# Altium PCB ESP_MusicToy.PcbDoc (part 2 of 2)
Units mm, origin at the board's own origin, x right, y up, seen from the top; angles counter-clockwise.
Board outline 77 x 70 mm, 4 copper layers (Top Layer, Layer 1, Layer 2, Bottom Layer), stack 1.583 mm thick; 197 components, 120 nets, 563 pads, 299 vias.
Unrouted connection lines stored in the file: 1.
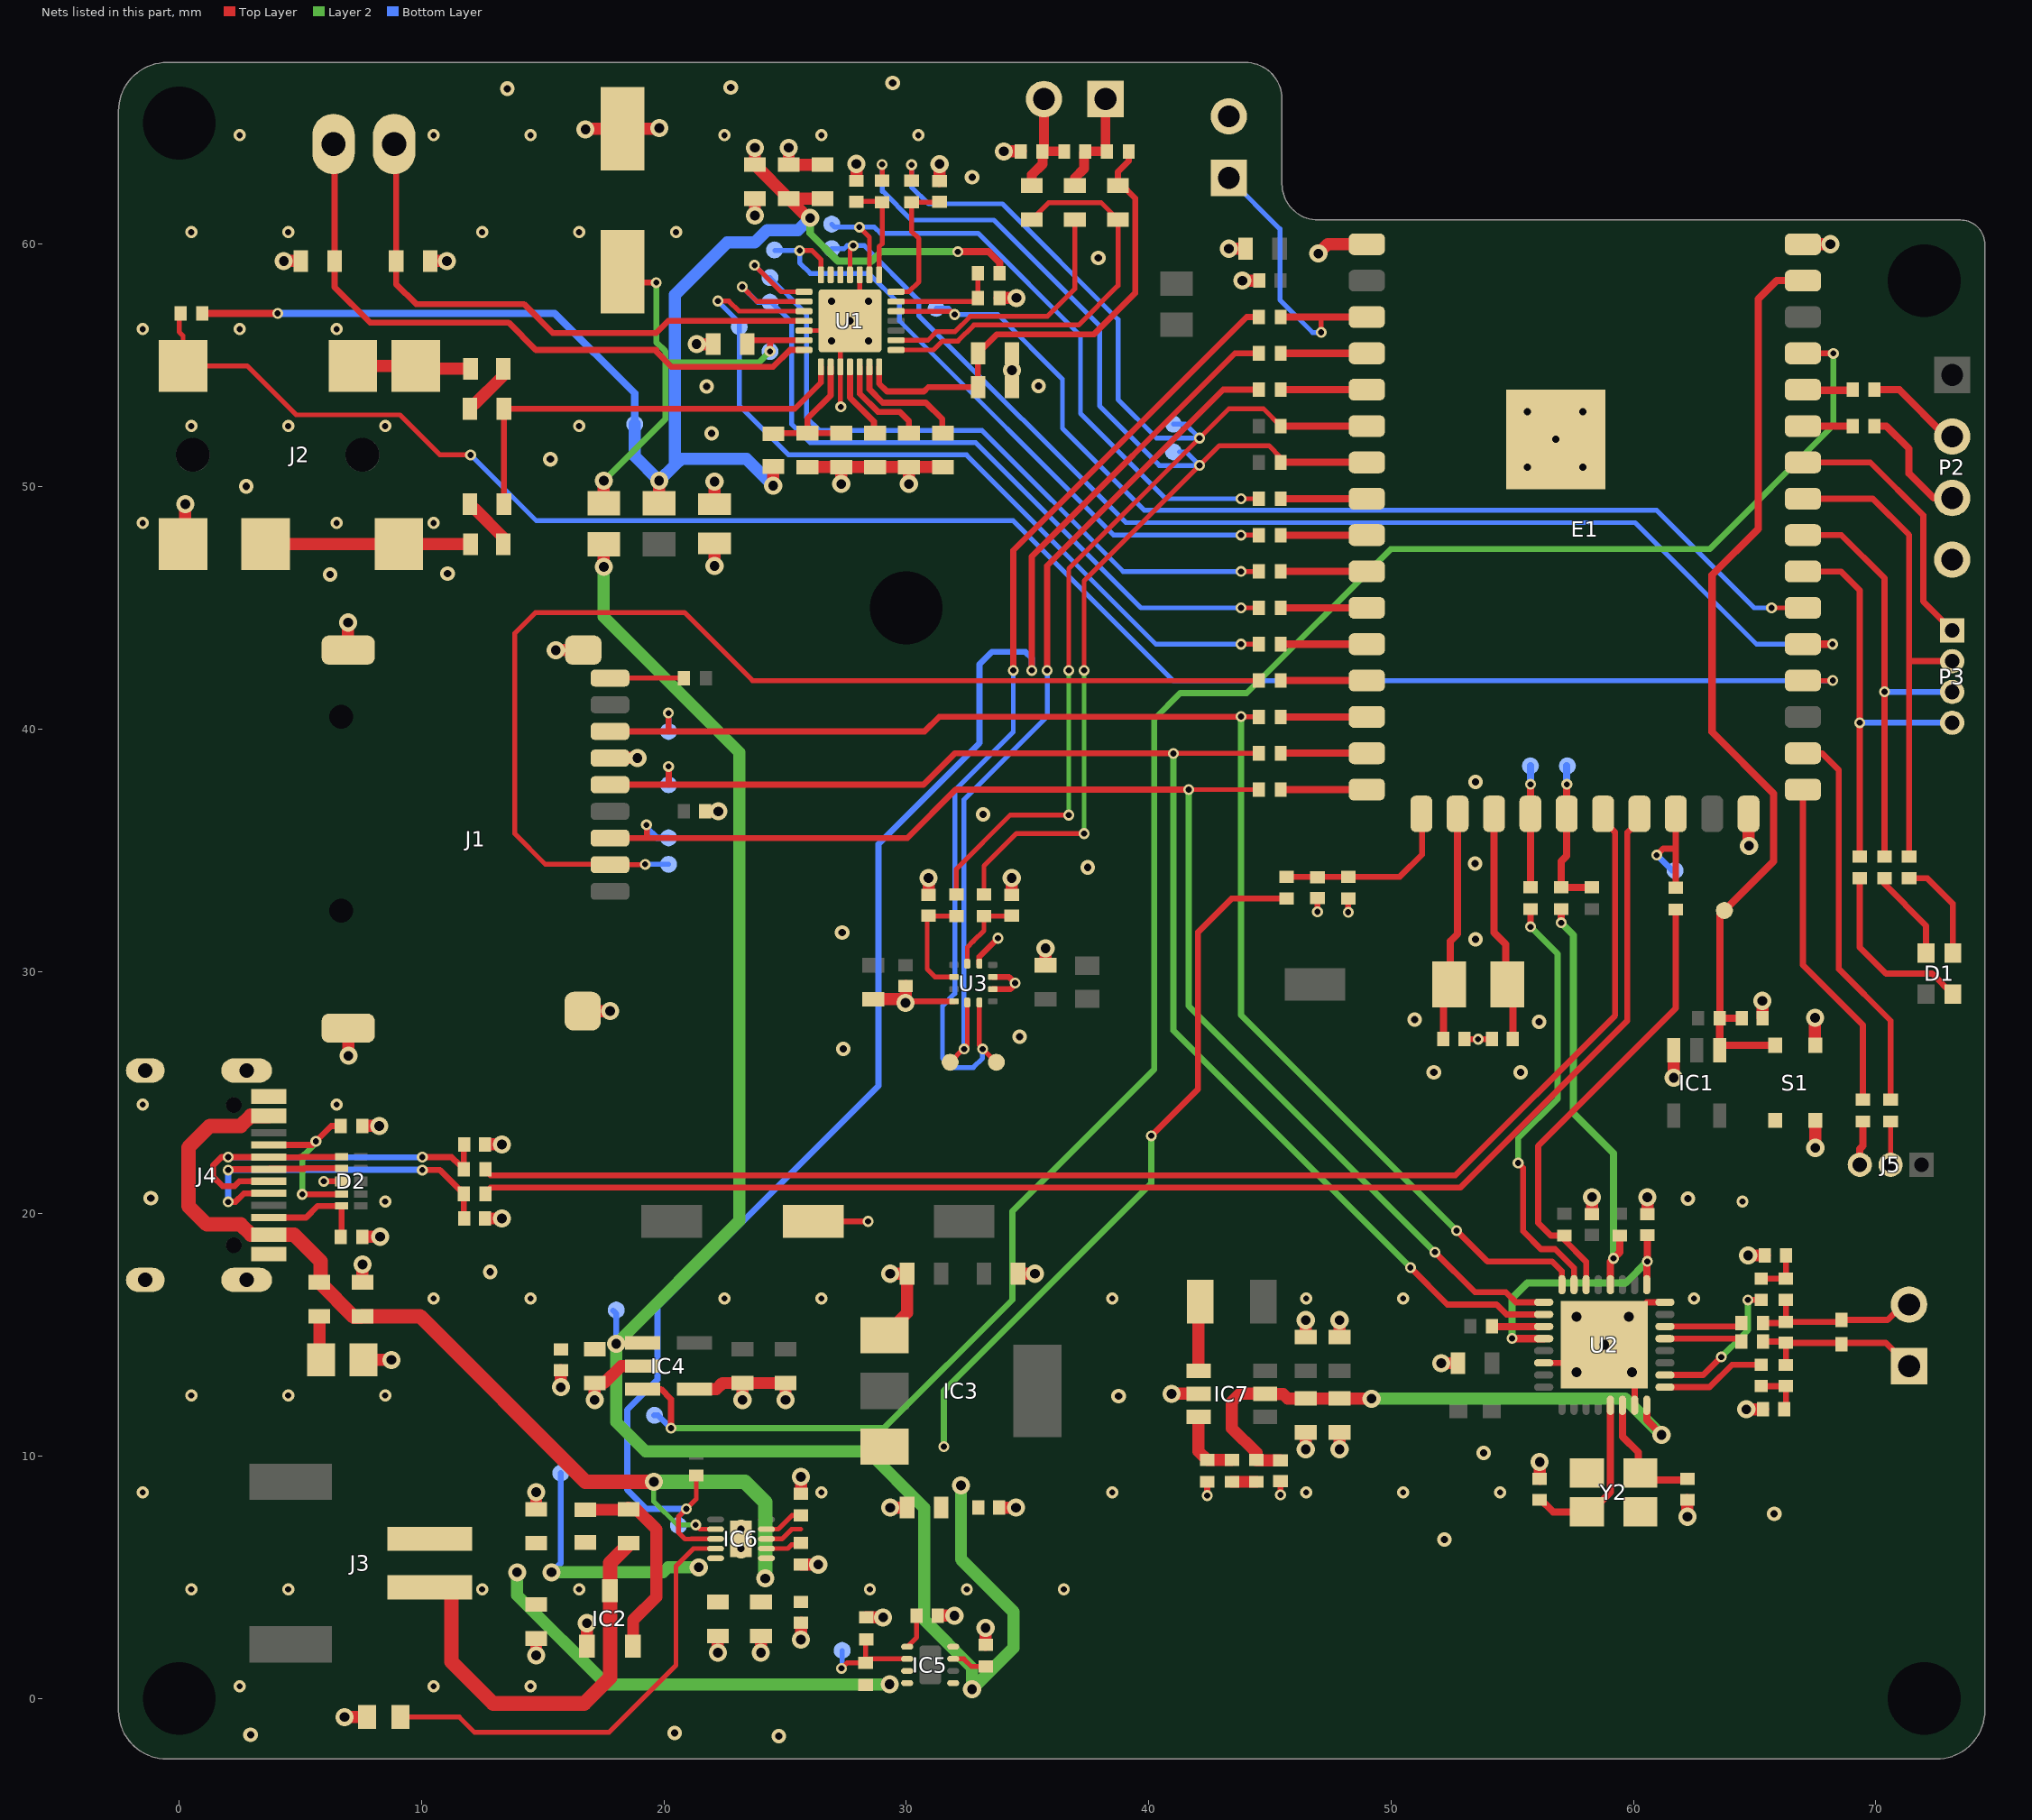
[diagram p4: the nets of this part, all layers, seen from the top]

## Via types
v1: diameter 0.75, hole 0.4, Top Layer to Bottom Layer, tented both sides, 109 vias
v2: diameter 0.45, hole 0.25, Top Layer to Bottom Layer, tented both sides, 90 vias
v3: diameter 0.5, hole 0.25, Top Layer to Bottom Layer, tented both sides, 52 vias
v4: diameter 0.6, hole 0.3, Top Layer to Bottom Layer, tented both sides, 46 vias
v5: diameter 0.8, hole 0.3, Top Layer to Bottom Layer, tented both sides, 2 vias

## Nets (pads, with @x,y where several pads share a name; then routed paths per layer and width w, separated by ;. In a path a pad name is that pad's centre, name@x,y a point inside that pad or via, vN(x,y) a via of type N, cw(c..) or ccw(c..) an arc to the next point about the centre after c; other vN are vias at no path point) (continued)
+5V_NFC: C66.2 C67.2 C68.2 IC7.5 R61.2 U2.32 | length 23.9
  Top Layer w0.3: U2.32@60.551,12.097 60.551,11.484 v1(61.163,10.871)
  Top Layer w0.5: C68.2@45.441,9.83 44.46,9.83 R61.2@44.45,9.84 44.45,10.135 43.434,11.151 43.434,12.243 43.764,12.573 44.801,12.573 IC7.5@44.809,12.565 45.55,12.565 45.739,12.376 C66.2@46.482,12.376 C67.2@47.879,12.376 47.885,12.37 v1(49.2,12.37)
  Layer 2 w0.5: v1(49.2,12.37) 59.665,12.37 v1(61.163,10.871)
AGND: C10.1 C11.1 C12.1 C13.2 C14.1 C15.2 C16.2 C22.2 C23.1 C24.2 C25.2 C26.2 C27.2 C28.1 C29.1 C31.1 J2.1 R30.2 R32.1 R40.1 U1.3 U1.12 U1.17 U1.29 | length 28.8
  Top Layer w0.2: U1.12@25.779,56.44 U1.29@27.279,56.44 ; v2(27.298,53.292) 27.279,53.311 U1.17@27.279,54.94 U1.29@27.279,56.44 ; U1.3@28.079,58.74 28.079,57.24 v4(27.679,56.84) U1.29@27.279,56.44
  Top Layer w0.5: J2.1@0.164,47.633 0.254,47.723 v1(0.254,49.276) ; v1(4.318,59.309) C27.2@5.015,59.309 ; C28.1@10.352,59.309 v1(11.049,59.309) ; v1(16.764,64.741) 16.891,64.741 16.92,64.77 C16.2@18.288,64.77 v1@19.656,64.77 ; v1(21.349,55.88) C15.2@22.033,55.88 ; R30.2@22.091,49.279 v1(22.091,50.207) ; v1(23.754,61.188) C11.1@23.754,61.885 ; v1(25.151,63.982) C12.1@25.151,63.285 C10.1@26.548,63.285 ; C23.1@25.92,50.806 C22.2@27.317,50.806 ; v1(27.317,50.109) C22.2@27.317,50.806 ; C14.1@27.945,62.617 v1(27.945,63.314) ; v1(30.111,50.109) C25.2@30.111,50.806 ; C13.2@31.374,62.614 v1(31.374,63.311) ; C24.2@31.508,50.806 C25.2@30.111,50.806 ; R32.1@33.851,57.785 v1(34.548,57.785) ; v1(34.025,63.833) R40.1@34.722,63.833 ; C31.1@34.36,54.107 v1(34.36,54.804) C29.1@34.36,55.504 ; C22.2@27.317,50.806 28.714,50.806 C25.2@30.111,50.806
  other v1: 19.812,64.799
  other v3: -1.5,48.5 6.5,48.5 10.5,48.5 0.5,52.5 4.5,52.5 8.5,52.5 16.5,52.5 -1.5,56.5 2.5,56.5 6.5,56.5 0.5,60.5 4.5,60.5 12.5,60.5 16.5,60.5 20.5,60.5 2.5,64.5 10.5,64.5 14.5,64.5 22.5,64.5 26.5,64.5 30.5,64.5
  other v4: 6.223,46.38 11.074,46.406 2.769,50.013 15.316,51.13 21.971,52.197 21.768,54.127 35.458,54.153 26.924,56.007 28.448,56.007 26.924,57.658 28.448,57.658 37.922,59.436 32.715,62.763 13.538,66.421 22.758,66.472 29.439,66.65
AVDD: AVDD.1 C10.2 C11.2 C12.2 FB2.2 R31.2 R37.1 R38.2 U1.5 U1.6 | length 59.4
  Top Layer w0.3: R38.2@0.958,57.15 v2(4.064,57.15) ; v2(32.131,59.69) 33.401,59.69 33.851,59.24 R31.2@33.851,58.801
  Top Layer w0.5: FB2.2@19.805,49.316 v1(19.805,50.244) ; v1(23.754,63.982) C11.2@23.754,63.285 25.151,61.888 C12.2@25.151,61.885 ; v1(24.511,50.038) 24.511,50.819 R37.1@24.523,50.831 ; v1(26.035,61.087) 25.949,61.087 C12.2@25.151,61.885 ; C10.2@26.548,61.885 C12.2@25.151,61.885
  Layer 2 w0.3: v1(26.035,61.087) 26.035,60.452 27.178,59.309 28.575,59.309 28.956,59.69 v2(32.131,59.69)
  Bottom Layer w0.3: v2(4.064,57.15) 15.494,57.15 18.796,53.848 AVDD.1@18.796,52.578
  Bottom Layer w0.5: AVDD.1@18.796,52.578 18.796,51.253 v1(19.805,50.244) 20.447,50.886 ; v1(24.511,50.038) 23.409,51.14 20.701,51.14 20.447,50.886 ; v1(26.035,61.087) 25.527,60.579 24.257,60.579 23.749,60.071 22.606,60.071 20.447,57.912 20.447,50.886
BAT: BAT.1 C35.2 C36.1 IC5.3 IC5.4 IC6.10 J3.2 R43.1 R46.2 | length 28.2
  Layer 2 w0.5: v1(13.945,5.207) 13.945,4.267 17.628,0.584 v1(29.312,0.584) ; v1(15.367,5.207) 19.964,5.207 20.168,5.41 v1(21.438,5.41)
  Bottom Layer w0.25: v1(15.367,5.207) 15.748,5.588 BAT.1@15.748,9.296
BUT1: E1.28 R52.2 | length 16.3
  Top Layer w0.25: E1.28@66.993,39 67.782,39 68.478,38.303 68.478,30.099 70.612,27.965 R52.2@70.612,24.707
BUT2: E1.27 R60.2 | length 13.8
  Top Layer w0.25: E1.27@66.993,37.5 66.993,30.263 69.469,27.788 R60.2@69.469,24.707
CC1: D2.4 J4.A5 R41.2 | length 7.2
  Top Layer w0.25: J4.A5@3.701,22.84 v2@5.492,22.84 ; v2(5.08,20.803) 5.667,20.803 D2.4@6.706,20.803 ; v2@5.55,22.898 6.274,23.622 R41.2@6.662,23.622
  Layer 2 w0.25: v2(5.08,20.803) 5.08,22.352 5.334,22.606 5.642,22.914 v2(5.642,22.99)
CC2: D2.5 J4.B5 R45.2 | length 4.5
  Top Layer w0.25: J4.B5@3.701,19.84 5.235,19.84 5.715,20.32 D2.5@6.706,20.32 6.706,19.094 R45.2@6.662,19.05
CHARGE: CHG.1 IC6.8 R7.1 R48.1 | length 68.6
  Top Layer w0.2: 21.133,6.579 20.879,6.579 20.599,6.858 20.599,7.493 v2(20.93,7.823) 21.336,8.23 21.336,9.169 R48.1@21.311,9.195 ; 21.133,6.585 IC6.8@22.133,6.585
  Top Layer w0.25: v2(35.179,42.418) 35.179,47.117 43.562,55.5 R7.1@44.55,55.5
  Bottom Layer w0.2: CHG.1@20.625,7.036 20.625,7.518 v2(20.93,7.823)
  Bottom Layer w0.25: v2(20.93,7.823) 19.279,7.823 18.491,8.611 18.491,11.913 19.736,13.157 19.736,16.154 28.854,25.273 28.854,35.255 33.02,39.421 33.02,42.672 33.528,43.18 34.925,43.18 35.179,42.926 v2(35.179,42.418)
Codec_Address: R31.1 R32.2 U1.27 | length 4.4
  Top Layer w0.2: U1.27@29.579,57.64 32.806,57.64 R32.2@32.951,57.785 R31.1@32.951,58.801
Codec_GPIO1: C_GPIO1.1 E1.32 U1.26 | length 44.5
  Top Layer w0.2: U1.26@29.579,57.24 29.59,57.229 31.87,57.229 v2(31.997,57.102) ; v2(65.701,45) E1.32@66.993,45
  Bottom Layer w0.2: C_GPIO1.1@31.235,57.356 31.743,57.356 v2(31.997,57.102) 33.775,57.102 36.442,54.435 36.442,52.403 39.823,49.022 60.96,49.022 64.982,45 v2(65.701,45)
Codec_GPIO2: C_GPIO2.1 E1.31 U1.4 | length 51
  Top Layer w0.2: U1.4@27.679,58.74 27.679,59.81 v2(27.813,59.944) v2@27.799,59.944
  Top Layer w0.3: E1.31@66.993,43.5 v2(68.215,43.5)
  Bottom Layer w0.2: C_GPIO2.1@26.924,59.817 27.432,59.817 27.559,59.944 v2(27.813,59.944) 28.266,59.944 30.516,57.694 30.516,57.059 39.061,48.514 60.071,48.514 65.085,43.5 v2(68.215,43.5)
Codec_I2C_SCK: C14.2 R34.2 U1.1 | length 4.2
  Top Layer w0.2: C14.2@27.945,61.772 29.07,61.772 29.004,61.706 29.004,60.023 28.879,59.898 U1.1@28.879,58.74
Codec_I2C_SDA: C13.1 R33.2 U1.28 | length 5.7
  Top Layer w0.2: U1.28@29.579,58.04 30.107,58.04 30.519,58.452 30.519,60.231 30.219,60.531 R33.2@30.219,61.732 31.356,61.732 C13.1@31.374,61.75
Codec_I2S0_ASDOUT: DOUT1.1 R11.1 U1.8 | length 31
  Top Layer w0.2: v2(23.742,59.134) 24.836,58.04 U1.8@25.779,58.04 ; v2(43.815,46.5) R11.1@44.55,46.5
  Bottom Layer w0.2: v2(23.742,59.134) 24.25,58.626 DOUT1.1@24.377,58.626 25.88,57.122 25.88,52.86 26.416,52.324 33.122,52.324 38.946,46.5 v2(43.815,46.5)
Codec_I2S0_DSDIN: DIN1.1 R13.1 U1.10 | length 33.9
  Top Layer w0.2: v2(22.225,57.658) 22.678,57.658 23.096,57.24 U1.10@25.779,57.24 ; v2(43.815,43.5) R13.1@44.55,43.5
  Bottom Layer w0.2: v2(22.225,57.658) 23.107,56.776 DIN1.1@23.107,56.594 23.107,53.347 25.146,51.308 32.487,51.308 40.295,43.5 v2(43.815,43.5)
Codec_I2S0_LRCK: LRCLK1.1 R12.1 U1.9 | length 32.1
  Top Layer w0.2: v2(23.234,58.245) 23.839,57.64 U1.9@25.779,57.64 ; v2(43.815,45) R12.1@44.55,45
  Bottom Layer w0.2: v2(23.234,58.245) 23.869,57.61 LRCLK1.1@24.377,57.61 24.432,57.61 25.273,56.769 25.273,52.578 26.035,51.816 32.868,51.816 39.684,45 v2(43.815,45)
Codec_I2S0_MCLK: MCLK1.1 R9.1 U1.2 | length 26.3
  Top Layer w0.2: v2(28.067,60.706) 28.479,60.294 U1.2@28.479,58.74 ; v2(43.815,49.5) R9.1@44.55,49.5
  Bottom Layer w0.2: MCLK1.1@26.924,60.833 27.051,60.706 v2(28.067,60.706) 28.687,60.706 28.941,60.452 32.965,60.452 37.19,56.227 37.19,53.017 40.707,49.5 v2(43.815,49.5)
Codec_I2S0_SCLK: R10.1 SCLK1.1 U1.7 | length 27.2
  Top Layer w0.2: v2(25.603,59.741) 26.111,59.741 26.479,59.373 U1.7@26.479,58.74 ; v2(43.815,48) R10.1@44.55,48
  Bottom Layer w0.2: SCLK1.1@24.587,59.741 v2(25.603,59.741) 25.603,59.233 26.035,58.801 28.448,58.801 29.718,57.531 29.718,56.841 38.559,48 v2(43.815,48)
EN: C7.2 E1.41 EN.1 IC1.1 R24.1 S1.1 S1.2 | length 39.2
  Top Layer w0.3: IC1.1@63.5,26.67 63.78,26.95 S1.2@65.85,26.95 ; R24.1@63.5,28.067 63.561,28.006 IC1.1@63.561,26.75 ; C7.2@64.516,28.067 C7.2@64.465,28.067 R24.1@63.569,28.067 63.569,32.327 EN.1@63.754,32.512 65.786,34.544 65.786,37.338 63.246,39.878 63.246,46.355 65.151,48.26 65.151,57.738 65.913,58.5 E1.41@66.802,58.5
GND: C1.1 C2.1 C3.1 C4.1 C5.1 C6.1 C7.1 C8.2 C9.1 C32.2 C35.1 C36.2 C37.2 C38.1 C39.1 C40.1 C41.1 C42.1 C43.1 C44.1 C45.1 C46.1 C47.1 C48.1 C49.1 C50.1 C51.1 C52.2 C53.1 C54.1 C55.2 C59.2 C60.1 C61.1 C62.1 C63.1 C64.1 C65.1 C66.1 C67.1 C68.1 D2.3 E1.1 E1.26 E1.42 E1.43 GND.1 IC1.3 IC2.1 IC3.1 IC4.2 IC4.4 IC5.8 IC6.3 IC6.11 IC7.2 J1.6 J1.G J4.A1/B12 J4.B1/A12 J4.S1 J4.S2 J4.S3 J4.S4 P1.2 P2.4 R2.1 R30.1 R41.1 R42.1 R44.1 R45.1 R47.1 R49.2 R50.1 R51.2 R63.1 S1.3 S1.4 U2.8 U2.22 U2.31 U2.33 U3.4 U3.8 U3.9 U3.11 Y2.2 Y2.4 | length 80.9
  Top Layer w0.2: IC6.3@24.233,6.585 24.873,6.585 25.273,6.985 25.654,6.985
  Top Layer w0.25: v2(5.969,21.336) D2.3@6.706,21.336 ; GND.1@26.162,19.685 v2(28.423,19.685) ; v1(29.972,28.7) 30.038,28.766 U3.4@31.966,28.766 ; U3.11@33.016,30.316 33.016,30.608 33.777,31.369 v2(33.782,31.369) ; U3.8@33.566,29.266 34.298,29.266 v2@34.52,29.488 ; U3.9@33.566,29.766 34.242,29.766 v2(34.492,29.516) ; v2@34.544,29.512 v2@34.52,29.488 ; v2(42.418,8.374) R63.1@42.418,8.94 ; v2(45.441,8.4) C68.1@45.441,8.966 ; v2(46.965,32.454) C2.1@46.965,33.02 ; v2(48.235,32.436) R2.1@48.235,33.002 ; C5.1@53.086,27.203 v2(53.594,27.203) 54.152,27.203 C6.1@54.162,27.214 ; U2.22@56.301,13.847 58.051,13.847 v1(58.801,14.597) ; U2.31@60.051,12.097 60.051,13.347 v1(58.801,14.597) 60.551,16.347 U2.8@61.301,16.347 ; v2(34.492,29.516) v2@34.52,29.488 ; v2(34.492,29.516) v2@34.52,29.488
  Top Layer w0.5: v1(6.825,-0.767) R42.1@7.749,-0.767 ; J1.G@6.971,43.261 v1(6.971,44.391) ; J1.G@6.976,27.657 6.985,27.647 v1(6.985,26.518) ; R41.1@7.562,23.622 v1(8.259,23.622) ; C32.2@7.564,17.207 v1(7.564,17.904) ; R45.1@7.597,19.05 v1(8.294,19.05) ; R44.1@7.655,13.97 v1(8.763,13.97) ; C8.2@12.624,19.806 v1(13.321,19.806) ; C9.1@12.624,22.86 v1(13.321,22.86) ; v1(14.732,1.778) C36.2@14.732,2.475 ; C35.1@14.732,7.812 v1(14.732,8.509) ; v1(15.541,43.252) J1.G@16.671,43.252 ; v1(15.748,12.841) C38.1@15.748,13.538 ; J1.G@16.655,28.361 v1(17.785,28.361) ; v1(16.822,3.11) 16.822,2.16 IC2.1@16.83,2.152 ; v1(17.145,12.319) C41.1@17.145,13.016 17.537,13.016 18.237,13.716 IC4.2@19.118,13.716 ; J1.6@17.78,38.806 v1(18.91,38.806) ; IC4.4@21.268,12.766 22.164,12.766 22.414,13.016 C48.1@23.241,13.016 ; C1.1@21.696,36.606 21.701,36.601 v1(22.25,36.601) ; v1(22.091,46.725) R30.1@22.091,47.653 ; v1(22.225,1.886) C37.2@22.225,2.583 ; v1(23.241,12.319) C48.1@23.241,13.016 ; v1(24.003,1.886) C40.1@24.003,2.583 ; v1(25.019,12.319) C46.1@25.019,13.016 C48.1@23.241,13.016 ; v1(25.654,2.427) C43.1@25.654,3.124 ; R50.1@25.654,8.451 v1(25.654,9.148) ; R51.2@25.659,5.524 v1(26.371,5.524) ; R47.1@28.346,3.346 v1(29.043,3.346) ; C62.1@28.635,28.851 29.821,28.851 v1(29.972,28.7) C61.1@29.972,29.397 ; IC3.1@29.108,14.989 30.034,15.914 C45.1@30.034,17.526 v1(29.337,17.526) ; v1(29.337,7.874) C42.1@30.034,7.874 ; C59.2@30.921,33.158 v1(30.921,33.855) ; C44.1@31.293,3.417 v1(31.99,3.417) ; R49.2@33.274,2.216 v1(33.274,2.913) ; C39.1@33.833,7.874 v1(34.53,7.874) ; C60.1@34.35,33.158 v1(34.35,33.855) ; C47.1@34.609,17.526 v1(35.306,17.526) ; C63.1@35.747,30.251 v1(35.747,30.948) ; v1(40.945,12.573) 42.016,12.573 42.042,12.548 IC7.2@42.059,12.565 ; v1(43.307,59.817) C4.1@44.004,59.817 ; v1(43.871,58.5) C3.1@44.568,58.5 ; v1(46.482,10.279) C66.1@46.482,10.976 ; C64.1@46.482,14.916 v1(46.482,15.613) ; v1(47,59.616) 47.384,60 E1.1@49,60 ; v1(47.879,10.279) C67.1@47.879,10.976 ; C65.1@47.879,14.916 v1(47.879,15.613) ; v1(52.07,13.835) C51.1@52.767,13.835 ; C52.2@56.134,9.06 v1(56.134,9.757) ; C50.1@58.293,19.99 v1(58.293,20.687) ; C49.1@60.579,19.982 v1(60.579,20.679) ; v1(61.666,25.616) IC1.3@61.666,26.745 ; v1(62.23,7.499) C53.1@62.23,8.196 ; v1(64.657,11.93) C54.1@65.354,11.93 ; v1(64.733,18.28) C55.2@65.43,18.28 ; v1@64.75,35.179 E1.26@64.75,36.5 ; C7.1@65.324,28.072 v1(65.324,28.783) ; E1.42@66.998,60.005 v1(68.128,60.005) ; S1.4@67.495,26.955 v1(67.495,28.084) ; v1(67.505,22.716) S1.3@67.505,23.845
  other v1: 57.658,13.462 59.944,13.462 57.658,15.748 59.817,15.748 64.77,35.179
  other v3: 2.5,0.5 10.5,0.5 14.5,0.5 0.5,4.5 4.5,4.5 12.5,4.5 16.5,4.5 28.5,4.5 32.5,4.5 36.5,4.5 -1.5,8.5 26.5,8.5 38.5,8.5 46.5,8.5 50.5,8.5 54.5,8.5 0.5,12.5 4.5,12.5 8.5,12.5 10.5,16.5 14.5,16.5 22.5,16.5 26.5,16.5 38.5,16.5 46.5,16.5 50.5,16.5 62.5,16.5 8.5,20.5 64.5,20.5 -1.5,24.5 6.5,24.5
  other v4: 24.74,-1.549 2.946,-1.499 20.447,-1.422 52.197,6.553 65.811,7.62 53.823,10.135 38.76,12.471 12.827,17.602 62.255,20.625 -1.168,20.65 51.765,25.832 55.347,25.832 27.407,26.797 34.671,27.305 56.109,27.915 50.978,28.016 53.492,31.318 27.356,31.598 37.49,34.29 53.467,34.442 33.172,36.474 53.492,37.821 55.626,50.8 57.912,50.8 56.8,51.95 55.626,53.086 57.912,53.086
  other v5: 23.183,6.185 23.183,6.985
Gyro_I2C_SCK: C60.2 R59.2 U3.12 | length 3.4
  Top Layer w0.2: U3.12@32.516,30.316 32.516,30.992 32.766,31.242 33.207,31.683 R59.2@33.207,32.276 34.332,32.276 C60.2@34.35,32.295
Gyro_I2C_SDA: C59.1 R58.2 U3.2 | length 4.6
  Top Layer w0.2: U3.2@31.966,29.766 31.194,29.766 30.861,30.099 30.861,30.226 30.861,32.234 C59.1@30.921,32.295 30.94,32.276 R58.2@32.064,32.276
Gyro_INT1: GYINT1.1 R8.1 U3.5 | length 35.9
  Top Layer w0.2: GYINT1.1@31.81,26.249 v2@32.358,26.797 ; v2(32.385,26.797) v2@32.358,26.797 ; U3.5@32.516,28.716 32.516,26.955 v2@32.358,26.797
  Top Layer w0.25: v2(35.814,42.418) 35.814,46.736 43.078,54 R8.1@44.55,54
  Bottom Layer w0.2: v2(32.385,26.797) 32.385,37.084 35.814,40.513 v2(35.814,42.418)
Gyro_INT2: GYINT2.1 R6.1 U3.6 | length 41.4
  Top Layer w0.2: U3.6@33.016,28.716 33.016,26.949 v2@33.157,26.807 ; v2(33.147,26.797) v2@33.157,26.807 ; GYINT2.1@33.715,26.249 v2@33.157,26.807
  Top Layer w0.25: v2(34.417,42.418) 34.417,47.371 44.046,57 R6.1@44.55,57
  Bottom Layer w0.2: v2(33.147,26.797) 33.147,26.416 32.766,26.035 31.877,26.035 31.496,26.416 31.496,28.575 32.004,29.083 32.004,37.465 34.417,39.878 v2(34.417,42.418)
HP_DETECT: E1.30 J2.2 R38.1 | length 77
  Top Layer w0.2: R38.1@0.058,57.15 0,57.092 0,56.388 0.164,56.224 J2.2@0.164,54.983 2.802,54.983 4.826,52.959 9.113,52.959 10.764,51.308 v2(12.025,51.308) ; E1.30@66.993,42 v2(68.229,42) v2@68.289,42
  Bottom Layer w0.2: v2(12.025,51.308) 14.74,48.593 15.399,48.593 34.414,48.593 41.007,42 v2(68.229,42)
I2C_SCK: E1.7 R4.1 R34.1 R59.1 SCK.1 | length 53.2
  Top Layer w0.2: R34.1@29.004,62.635 v2(29.004,63.294) ; R59.1@33.207,33.176 33.207,34.35 34.544,35.687 v2(37.338,35.687) ; v2(37.338,42.418) 37.338,46.109 v2(42.103,50.873) 42.918,51.689 44.958,51.689 45.45,51.197 R4.1@45.45,51
  Top Layer w0.3: R4.1@45.45,51 E1.7@49.001,51
  Layer 2 w0.2: v2(37.338,35.687) v2(37.338,42.418)
  Bottom Layer w0.2: v2(29.004,63.294) 29.004,62.185 29.034,62.185 30.219,61 33.615,61 37.973,56.642 37.973,53.34 40.44,50.873 v2(42.103,50.873) 41.541,51.435 SCK.1@41.275,51.435
I2C_SDA: E1.6 R5.1 R33.1 R58.1 SDA.1 | length 53.1
  Top Layer w0.2: R33.1@30.219,62.632 v2(30.219,63.28) ; R58.1@32.064,33.176 32.064,34.223 34.29,36.449 v2(36.703,36.449) ; v2(36.703,42.418) 36.703,46.609 v2(42.096,52.002) 43.307,53.213 44.737,53.213 R5.1@45.45,52.5
  Top Layer w0.3: R5.1@45.45,52.5 E1.6@49.001,52.5
  Layer 2 w0.2: v2(36.703,36.449) v2(36.703,42.418)
  Bottom Layer w0.2: v2(30.219,63.28) 30.219,62.364 30.916,61.667 33.964,61.667 38.735,56.896 38.735,53.594 40.327,52.002 v2(42.096,52.002) 41.521,52.578 SDA.1@41.021,52.578
IO0: E1.3 P1.1 R6.2 | length 12.4
  Top Layer w0.2: 47.092,56.998 47.117,56.972 v2(47.117,56.363)
  Top Layer w0.3: R6.2@45.45,57 E1.3@49,57
  Bottom Layer w0.2: P1.1@43.307,62.738 45.415,60.63 45.415,57.709 46.761,56.363 v2(47.117,56.363)
IO14: C2.2 E1.17 R1.1 R2.2 | length 7.7
  Top Layer w0.25: R1.1@45.695,33.902 R2.2@48.235,33.902 50.361,33.902 51.283,34.823 51.283,36.467 E1.17@51.25,36.5
IO17: E1.20 NFC_CS.1 R25.1 | length 5
  Top Layer w0.3: E1.20@55.75,36.5 55.75,37.722 55.753,37.722 v2(55.753,37.719) ; R25.1@55.753,33.47 E1.20@55.753,36.449
  Bottom Layer w0.3: v2(55.753,37.719) NFC_CS.1@55.753,38.481
IO18: E1.21 NFCIRIN.1 R21.2 R26.1 | length 6.3
  Top Layer w0.3: R26.1@57.023,33.47 58.224,33.47 R21.2@58.293,33.401 ; R26.1@57.023,33.528 57.023,34.544 57.25,34.771 E1.21@57.25,36.5 v2@57.25,37.719
  Bottom Layer w0.3: v2(57.253,37.719) NFCIRIN.1@57.253,38.481
IO21: E1.24 NFCIRO.1 R27.1 | length 5.2
  Top Layer w0.25: v2(60.96,34.798) 61.225,35.063 61.75,35.063 ; E1.24@61.722,36.703 61.75,36.675 61.75,35.063 ; R27.1@61.75,33.45 61.75,35.063
  Bottom Layer w0.25: v2(60.96,34.798) 61.595,34.163 NFCIRO.1@61.722,34.163
LDO_EN: E1.39 IC4.3 LDO_EN.1 | length 83.4
  Top Layer w0.25: IC4.3@19.118,12.766 19.878,12.766 20.295,12.349 v2(20.295,11.151) ; E1.39@66.993,55.5 68.249,55.5 v2(68.25,55.499)
  Layer 2 w0.25: v2(20.295,11.151) 29.083,11.151 34.379,16.447 34.379,20.104 40.234,25.959 40.234,40.411 41.3,41.478 44.044,41.478 49.987,47.422 63.144,47.422 68.25,52.527 v2(68.25,55.499)
  Bottom Layer w0.25: LDO_EN.1@19.609,11.684 19.761,11.684 v2(20.295,11.151)
LINE_OUT: C20.1 C21.1 U1.15 | length 18.1
  Top Layer w0.25: C20.1@13.4,49.276 C21.1@13.4,53.213 16.284,53.213 25.4,53.213 26.479,54.292 U1.15@26.479,54.94
M_USBD_N: E1.22 R23.1 | length 58
  Top Layer w0.25: R23.1@12.642,21.838 12.642,21.788 12.848,21.582 22.614,21.582 52.646,21.582 59.248,28.184 59.248,34.917 59.248,35.729 58.75,36.227 E1.22@58.75,36.5
M_USBD_P: E1.23 R22.1 | length 58.8
  Top Layer w0.25: R22.1@12.642,20.822 12.642,20.872 12.848,21.078 22.405,21.078 52.855,21.078 59.752,27.975 59.752,35.125 59.752,35.729 60.25,36.227 E1.23@60.25,36.5
MIC_BIAS: C19.1 C29.2 C31.2 R39.2 U1.21 | length 20.3
  Top Layer w0.25: U1.21@28.879,54.94 28.879,54.251 29.203,53.927 30.727,53.927 30.907,54.107 C31.2@32.96,54.107 C29.2@32.96,55.504 33.743,56.286 37.744,56.286 39.446,57.988 39.446,61.9 C19.1@38.837,62.509 ; C19.1@38.735,62.422 38.735,62.992 39.178,63.435 R39.2@39.178,63.833
MIC_L: C18.1 C30.1 mic.2 R40.2 | length 4.7
  Top Layer w0.4: C18.1@35.179,62.422 35.179,62.865 35.622,63.308 R40.2@35.622,63.833 ; mic.2@35.68,65.992 35.68,63.891 R40.2@35.622,63.833 ; C30.1@36.518,63.833 R40.2@35.622,63.833
MIC_P: C17.1 C30.2 mic.1 R39.1 | length 4.7
  Top Layer w0.4: C17.1@36.957,62.422 36.957,62.738 37.338,63.119 37.338,63.789 C30.2@37.382,63.833 R39.1@38.278,63.833 38.22,63.891 mic.1@38.22,65.992